# KiCad board Inkplate10_Soldered.kicad_pcb (continued)
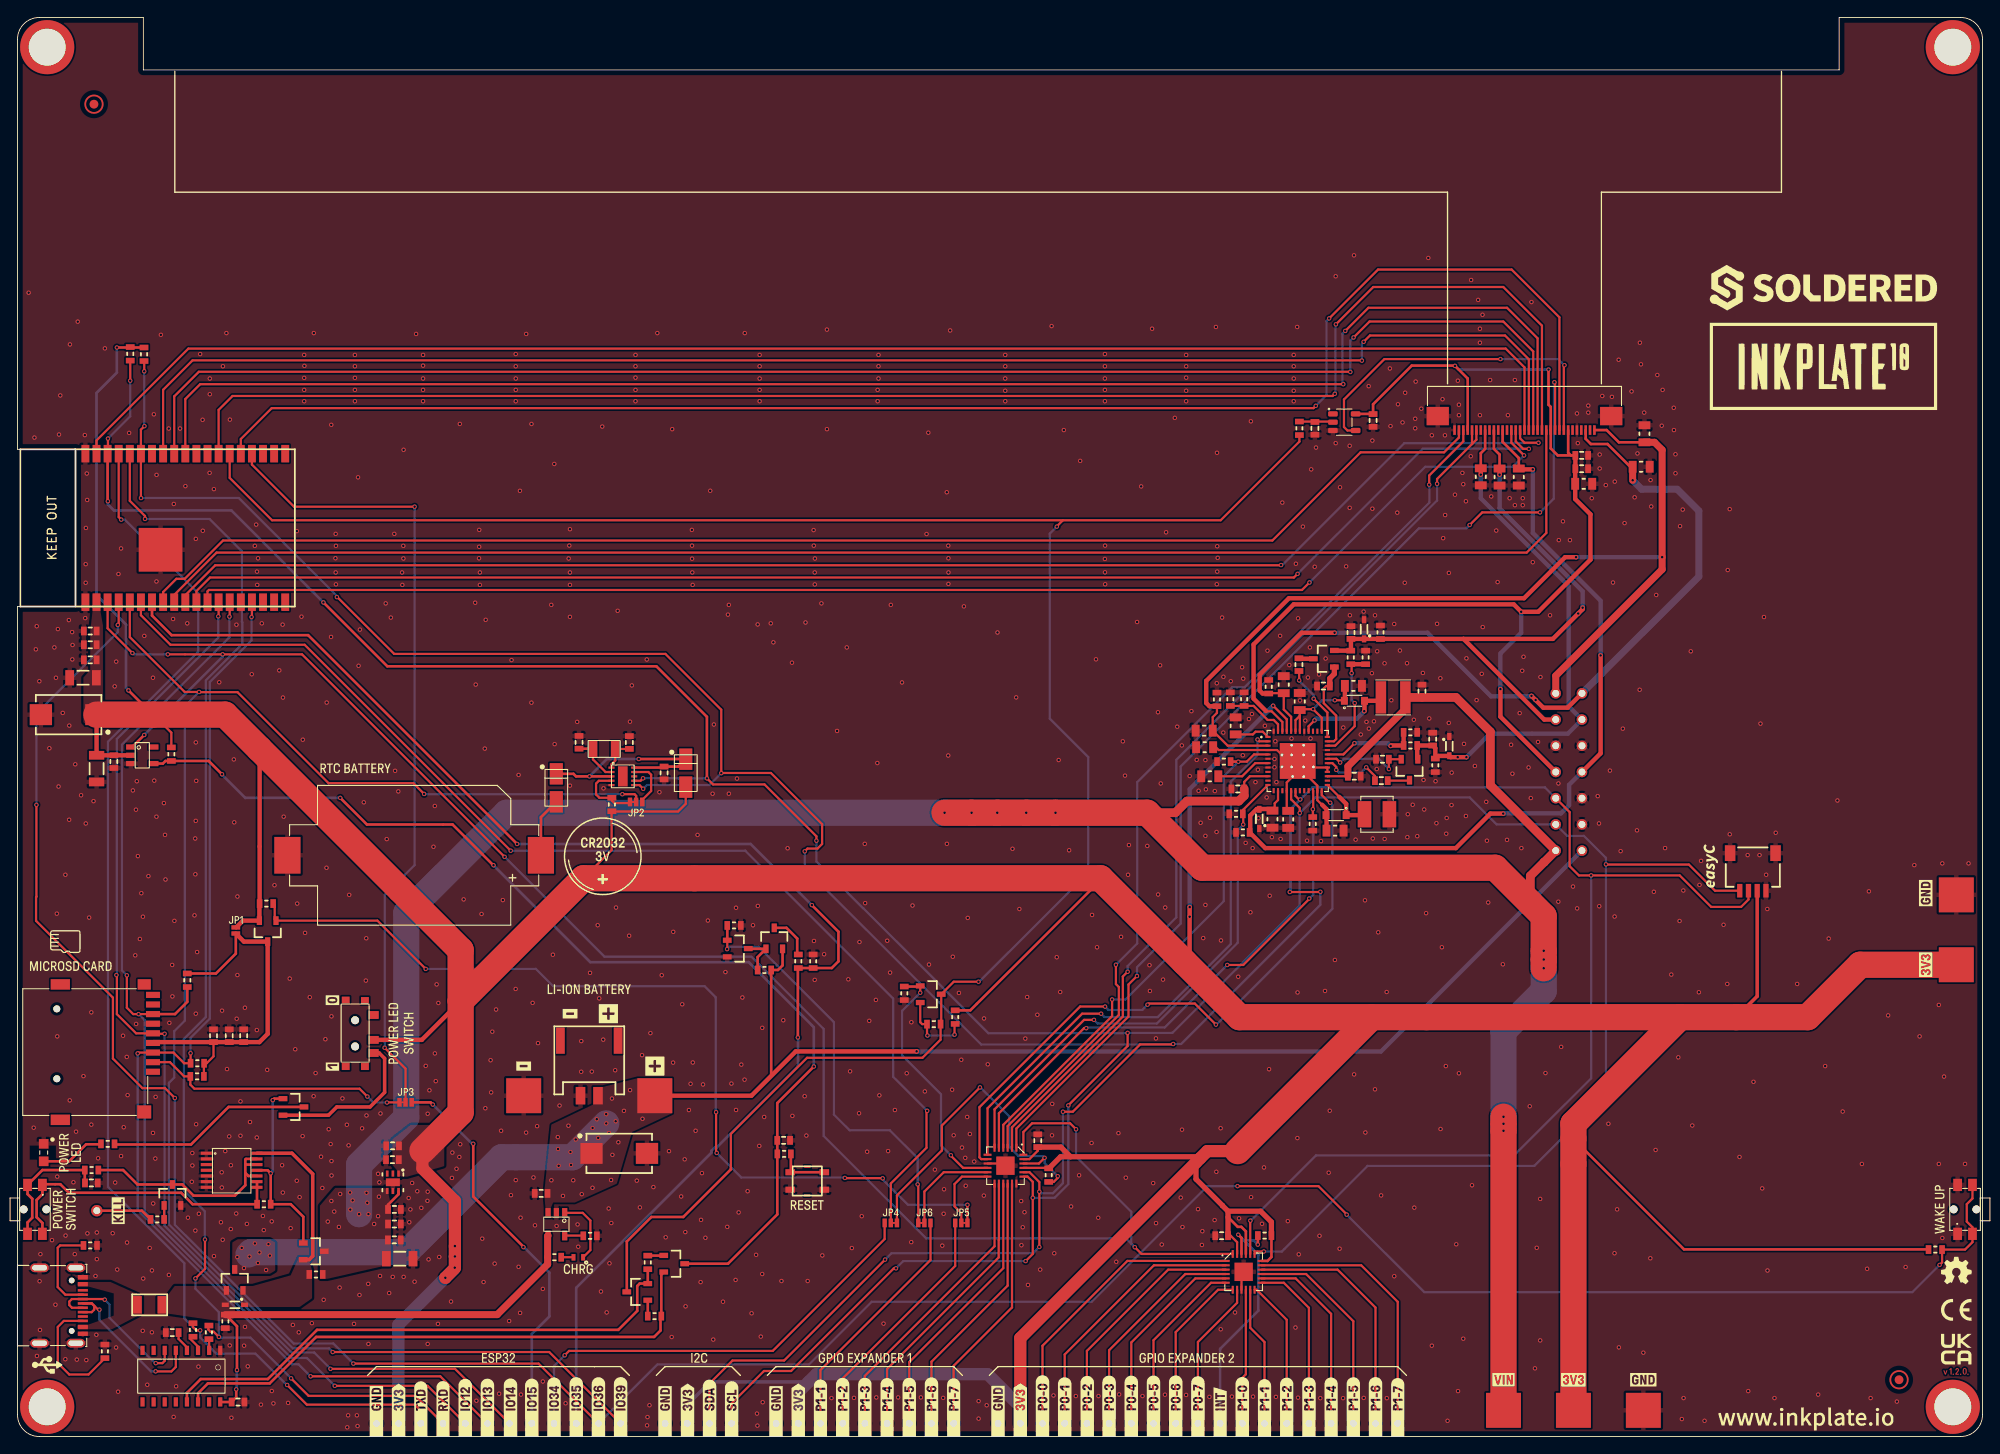
[diagram p0: board, top side]
## Routing (per net, layer and track width the routed paths; a pad name or vN(x,y) marks a point on that pad's centre or on a via; arc(x,y) is an arc through that point) (continued)
VDDH: length 71.1
  Top w0.3: C52.2 169.55,112.4 168.9,113.05 K12.24
  Top w0.5: 165.42,91.29 174.66,82.06 K1.2 ; 165.42,91.29 175.65,91.29 v1(178.55,94.2) 179.05,94.7 v1(179.05,94.88) ; 165.42,91.29 152.55,91.29 152.55,89.97 R13.2 150.68,89.95 D7.2 ; v1(169.55,110.1) C52.2
  Bottom w0.5: v1(178.55,94.2) 179.05,94.7 v1(179.05,94.88) 179.05,96.74 169.55,106.24 v1(169.55,110.1)
VEE: length 62.9
  Top w0.3: K12.26 167.9,113.05 167.4,112.55 167.4,110.83
  Top w0.5: 160.2,77.53 160.13,77.6 R15.2 160.13,79.09 C15.2 162.2,78.79 R12.2 162.5,77.9 163.78,77.9 D5.1 163.97,77.76 v1(164.76,77.76) v1(165.76,77.76) ; v1(167.4,110.1) 167.4,110.83
  Bottom w0.5: v1(164.76,77.76) v1(165.76,77.76) 168.45,80.45 177.36,80.45 K1.13 177.45,83.59 177.45,97.35 167.4,107.4 v1(167.4,110.1)
VIN: length 319.7
  Top w0.254: C5.2 140.34,74.93 140.99,75.57 U1.10 ; U1.27 149.86,75.58 C8.2
  Top w0.3: U6.6 43.6,27.74 42.39,26.53 C30.2
  Top w0.8: C8.2 152.2,76.71 158.78,83.28 L2.1
  Top w1: L2.1 158.78,84.59 C10.2 164.57,84.59 168.5,80.66 168.5,74.54 K1.7 174.66,65.75 174.65,65.75 173.07,64.17 173.07,61.08 ; 129.23,71.4 132.46,71.4 133.79,72.73 139.72,72.73 140.34,73.35 C5.2
  Top w3: PAD3.1 v1(170,35) v1(170,35.8) v1(170,36.6) ; v1(106.06,71.4) v1(109.15,71.4) v1(112.09,71.4) v1(115.4,71.4) v1(118.75,71.4) 129.23,71.4 135.53,65.1 169.05,65.1 174.6,59.55 v1(174.6,55.6) v1(174.6,54.6) v1(174.6,53.6)
  Bottom w3: v1(170,35) v1(170,35.8) v1(170,36.6) 170,46.4 174.6,51 v1(174.6,53.6) v1(174.6,54.6) v1(174.6,55.6) ; v1(118.75,71.4) v1(115.4,71.4) v1(112.09,71.4) v1(109.15,71.4) v1(106.06,71.4) 55.95,71.4 44.47,59.93 44.47,36.5 39.08,31.1 v1(39.08,25.45)
  vias: v1(35.5,24.6) v1(35.91,26.96) v1(36.24,25.75) v1(36.77,23.99) v1(36.92,27.76) v1(38.05,27.93) v1(38.08,25.98) v1(38.34,27.02) v1(39.93,27.9) v1(40.02,26.76) v1(40.15,25.46) v1(40.8,24.32) v1(41.25,25.22) v1(41.35,27.45)
/CTRL & COMS/CH_RXD: length 1.7
  Top w0.254: U3.3 20.66,10.29 19.73,11.22
/CTRL & COMS/CH_TXD: length 1.3
  Top w0.254: U3.2 21.93,11.12 R24.1
/CTRL & COMS/DTR: length 62.3
  Top w0.3: R26.2 Q3.2 71.18,17.5 70.9,17.23 70.9,14.38 68.73,12.21 34.27,12.21 28.64,6.58 20.97,6.58 19.39,5 U3.13
/CTRL & COMS/RTS: length 63.7
  Top w0.3: U3.14 20.66,4.96 21.78,6.08 28.85,6.08 34.17,11.4 72.83,11.4 73.56,12.13 73.56,13.69 R27.2 73.66,18.56 Q2.2
/MCU/GPB_3: length 33.6
  Top w0.254: K19.1 96.94,6.94 111.78,21.78 U9.13
/MCU/GPB_4: length 32.7
  Top w0.254: K20.1 99.48,7.73 112.25,20.5 112.25,22.5 112.28,22.53 U9.14
/MCU/GPB_5: length 31.9
  Top w0.254: U9.15 112.78,19.28 102.02,8.52 K23.1
/MCU/GPB_6: length 31.1
  Top w0.254: K21.1 104.56,8.56 113.28,17.28 U9.16
/MCU/GPB_7: length 30.2
  Top w0.254: U9.17 113.78,14.78 107.1,8.1 K22.1
/POWER/INT_LDO: length 6.3
  Top w0.254: C4.2 140.1,75.57 141.61,77.07 U1.7
/POWER/TS: length 7.1
  Top w0.254: R3.2 141.41,83.62 143.01,82.02 143.71,82.02 144.21,81.53 U1.47
/POWER/VB: length 14.6
  Top w0.254: U1.37 149.21,82.27 v1(148.22,83.25) 146.78,83.25 C12.2 146.69,82.48 ; U1.43 146.21,82 146.69,82.48 ; 146.69,82.48 146.71,82.47 U1.42 ; v1(150.71,84.28) 151.74,84.28 D3.1
  Top w0.5: 151.84,85.9 151.86,85.89 151.86,84.27 D3.1
  Bottom w0.254: v1(150.71,84.28) 149.25,84.28 v1(148.22,83.25)
/POWER/VB_SW: length 10.9
  Top w0.254: U1.40 147.71,81.29 v1(148.38,81.97)
  Top w0.5: L2.2 155.59,84.21 D3.2 154.1,83.05 v1(154.08,83.03)
  Bottom w0.5: v1(154.08,83.03) 153.22,82.17 148.58,82.17 v1(148.38,81.97)
/POWER/VN: length 22
  Top w0.254: 145.35,71.81 145.21,71.95 145.21,74.87 U1.49 ; 149.25,72.31 149.23,72.31 148.71,72.84 148.71,74.5 147.68,75.53 147.14,75.53 ; U1.49 148.32,76.57 U1.29 U1.28 ; C3.2 137.09,78.9 137.41,78.57 U1.4 144.09,78.57 U1.49
  Top w0.5: 149.25,72.31 149.75,71.81 C9.2
/POWER/VN_SW: length 6.3
  Top w0.254: U1.25 151.21,73.22 151.21,73.21
  Top w0.5: 151.21,73.21 152,72.42 D1.1 153.85,71.12 153.93,71.05
/POWER/VREF: length 4.1
  Top w0.254: C1.2 141.33,80.37 141.64,80.67 142.46,80.67 U1.1
/SD_RTC_GPIO/CLKOUT_RTC: length 5.4
  Top w0.254: 71.48,72.88 72.49,73.89 72.49,75.75 72.18,76.06 U7.9
/SD_RTC_GPIO/X1: length 3.9
  Top w0.254: U7.1 67.95,76.94 68.39,77.38 X1.1 69.99,78.7 C34.2
/SD_RTC_GPIO/X2: length 5.5
  Top w0.254: U7.2 67.28,76.06 65.84,77.5 X1.2
  Top w0.3: C35.2 65.81,78.73 X1.2
D+: length 19.9
  Top w0.254: K2.B6 8.49,14.24 8.77,14.52 8.77,14.95 8.48,15.24 K2.A6 8.51,15.24 9.23,14.52 v1(9.37,14.52) ; U3.5 18.12,7.97 17.6,7.45 15.81,7.45 v1(15.8,7.46)
  Bottom w0.254: v1(15.8,7.46) 15.27,7.46 9.37,13.36 v1(9.37,14.52)
D-: length 18.4
  Top w0.254: v1(9.98,15.67) 9.91,15.74 K2.B7 6.22,15.74 5.93,15.45 5.93,15.04 6.23,14.74 K2.A7 ; v1(15.82,8.4) 16.57,8.4 16.84,8.67 U3.6
  Bottom w0.254: v1(9.98,15.67) 10.53,15.12 10.53,13.58 15.71,8.4 v1(15.82,8.4)
EPD_CKV: length 157.6
  Top w0.254: 16.66,95.5 16.66,96.66 18.18,98.17 19.13,98.17 23.52,102.56 143.56,102.56 153.65,112.65 163.2,112.65 164.9,114.35 K12.32
EPD_CL: length 39.5
  Top w0.254: K12.8 176.9,122.55 v1(176.98,122.62) ; U8.4 152.15,115.15 151.75,115.55 151.75,118.7 156.38,123.33 v1(169.65,123.33)
  Bottom w0.254: v1(176.98,122.62) 176.28,123.33 v1(169.65,123.33)
EPD_D0: length 180.6
  Top w0.254: U10.26 23.01,117.51 24.6,119.1 150.45,119.1 v1(150.7,119.35) ; K12.13 174.4,127.15 169.97,131.57 155.1,131.57 v1(150.83,127.3)
  Bottom w0.254: v1(150.7,119.35) 150.78,119.42 150.78,127.25 v1(150.83,127.3)
EPD_D1: length 180.8
  Top w0.254: v1(151.68,120.45) 20.9,120.45 19.2,118.75 U10.29 ; K12.14 173.9,125.7 170.4,129.2 154.55,129.2 v1(151.9,126.55)
  Bottom w0.254: v1(151.68,120.45) 151.58,120.55 151.58,126.22 v1(151.9,126.55)
EPD_D2: length 178.1
  Top w0.254: K12.15 173.4,124.2 169.97,127.62 154.68,127.62 v1(152.85,125.8) ; v1(152.47,121.85) 152.45,121.88 20.75,121.88 17.93,119.06 U10.30
  Bottom w0.254: v1(152.85,125.8) 152.47,125.42 v1(152.47,121.85)
EPD_D3: length 176.5
  Top w0.254: v1(154,125.3) 154.72,126.03 170.17,126.03 172.9,123.3 K12.16 ; 16.66,112.5 16.66,119.81 20.03,123.17 153.78,123.17 v1(153.8,123.15)
  Bottom w0.254: v1(154,125.3) 153.8,125.1 v1(153.8,123.15)
EPD_D4: length 177.3
  Top w0.254: U10.37 9.04,114.02 19.55,124.53 170.25,124.53 172.4,122.38 K12.17
EPD_D5: length 166.1
  Top w0.254: v1(144.55,99.75) 144.53,99.72 22.62,99.72 19.2,96.3 U10.10 ; K12.18 171.9,114.25 172.4,113.75 v1(174,113.75)
  Bottom w0.254: v1(174,113.75) 173.95,113.7 158.65,113.7 144.7,99.75 v1(144.55,99.75)
EPD_D6: length 163.6
  Top w0.254: v1(146.44,98.74) 146.02,98.32 22.02,98.32 20.47,96.77 U10.11 ; K12.19 171.4,113.9 172.25,113.05 v1(172.9,113.05)
  Bottom w0.254: v1(146.44,98.74) 160.78,113.08 172.87,113.08 v1(172.9,113.05)
EPD_D7: length 161.8
  Top w0.254: v1(147.8,97.75) 146.95,96.9 21.9,96.9 21.74,96.74 U10.12 ; K12.20 170.9,113.75 v1(172.35,112.3)
  Bottom w0.254: v1(172.35,112.3) 171.05,111 161.05,111 v1(147.8,97.75)
EPD_GMODE: length 105.8
  Top w0.254: v1(162.4,109.05) 162.4,109.6 166.4,113.6 ; v1(127,53.2) 126.45,52.65 126.45,48.07 113.78,35.39 U9.2 ; 166.4,113.6 166.9,114.1 K12.28 ; 166.4,113.6 K12.29
  Bottom w0.254: v1(127,53.2) 127,53.85 132.58,59.43 132.58,77.47 140.42,85.31 140.57,85.31 162.4,107.14 v1(162.4,109.05)
EPD_LE: length 180.7
  Top w0.254: U10.24 25.55,114.17 29.09,117.71 148.26,117.71 v1(148.53,117.97) ; v1(150.05,127.97) 155.65,133.57 170.92,133.57 176.4,128.1 K12.9
  Bottom w0.254: v1(148.53,117.97) 149.75,119.2 149.75,127.67 v1(150.05,127.97)
EPD_OE: length 125.7
  Top w0.254: v1(128.07,52.71) 127.1,51.74 127.1,48.07 114.28,35.25 U9.1 ; v1(166.13,104.33) 167.57,105.78 v1(174.17,105.78) ; v1(175.82,120.67) 175.9,120.6 K12.10
  Bottom w0.254: v1(175.82,120.67) 175.75,120.6 175.75,107.35 v1(174.17,105.78) ; v1(166.13,104.33) 165.74,103.95 160.33,103.95 133.07,76.69 133.07,58.71 128.07,53.71 v1(128.07,52.71)
EPD_SPH: length 172.5
  Top w0.254: K12.12 174.9,103.42 172.65,101.17 22.77,101.17 17.93,96.33 U10.9
EPD_SPV: length 104.9
  Top w0.254: v1(125.66,54) 125.66,51.79 126,51.45 126,48.25 113.28,35.53 U9.3 ; v1(161.5,108.95) 161.5,110 165.4,113.9 K12.31
  Bottom w0.254: v1(125.66,54) 128.1,56.44 128.1,74.9 138.96,85.76 140.38,85.76 161.53,106.91 161.53,108.92 v1(161.5,108.95)
GPIO15: length 45.5
  Top w0.3: v1(57.88,21.68) 57.88,21.73 52.14,27.47 v1(52.14,33.51) ; v1(47.51,38) 47.26,38.25 JP3.3
  Bottom w0.3: v1(47.51,38) 52,33.51 v1(52.14,33.51) ; K38.1 58.84,11.73 60.85,13.74 60.85,18.76 57.93,21.68 v1(57.88,21.68)
GPIO_0: length 255.9
  Top w0.254: U10.25 24.28,109.72 29.12,104.88 119.59,104.88 ; 81.61,30.67 81.61,34.63 90.33,43.35 103.53,43.35 105.6,45.43 R21.1 105.68,47.28 Q1.3 107.11,52.06 v1(109.94,52.06) ; 119.59,104.88 137.65,104.88 146.65,113.88 R46.1 ; 119.59,104.88 118.9,104.18 v1(118.9,104.15)
  Top w0.3: Q3.3 69.71,22.32 72.51,25.13 76.16,25.13 81.61,30.58 81.61,30.67 ; 105.62,47.23 R21.1
  Bottom w0.254: v1(118.9,104.15) 118.09,103.34 118.09,82.17 122.5,77.76 122.5,64.54 110.02,52.06 v1(109.94,52.06)
GPIO_0_MOSFET: length 29.2
  Top w0.254: v1(106.78,32.19) 106.78,32.15 108.18,30.75 U9.10 ; v1(103.28,50.8) Q1.1
  Top w0.3: R19.2 103.21,51.5 Q1.1
  Bottom w0.254: v1(103.28,50.8) 101.2,48.72 101.2,43.62 105.65,39.18 105.65,33.32 v1(106.78,32.19)
GPIO_36: length 324.9
  Top w0.254: v1(139.57,28.66) 148.83,28.66 152.06,25.43 v1(152.06,25.4) ; K37.1 59.61,8.35 v1(38.43,8.35) ; 11.58,95.5 11.58,93 v1(11.47,92.9) ; v1(18,38.75) 16.88,39.88 14.3,39.88 10.92,43.26 10.92,50.23 2.12,59.03 2.12,61.75 2.17,61.79 v1(2.17,72.3) ; SW3.2 223.65,27.25 223,26.6 223,24.6 223.65,23.95 SW3.2 223.65,22.25 222.8,21.4 R41.1 220.17,19.93 v1(219.89,19.64)
  Bottom w0.254: v1(152.06,25.4) 160.94,16.53 216.78,16.53 v1(219.89,19.64) ; v1(11.47,92.9) 11.47,92.07 2.17,82.77 v1(2.17,72.3) ; v1(18,38.75) 18,24.24 31.59,10.65 36.13,10.65 v1(38.43,8.35) ; K37.1 73.21,8.25 90.55,8.25 97.72,15.43 122.89,15.43 136.12,28.66 v1(139.57,28.66)
GPIO_39: length 193.4
  Top w0.254: v1(36.06,9.67) 60.83,9.67 K36.1 ; U10.5 12.85,91.5 19.12,85.22 v1(20.78,85.22) 20.8,85.2 25.17,85.2 35.59,74.78 45.29,74.78 v1(46.52,73.55) ; v1(69.2,73.52) 70.59,73.52 70.78,73.33 70.78,72.88
  Bottom w0.254: v1(36.06,9.67) 35.64,10.09 31.51,10.09 17.32,24.28 17.32,40.48 17.93,41.09 17.93,46.39 19.15,47.61 19.15,83.6 v1(20.78,85.22) ; v1(46.52,73.55) 46.56,73.51 69.19,73.51 v1(69.2,73.52)
I2C_SCL: length 421.1
  Top w0.254: v1(127,46.2) 127,44.7 120.22,37.92 v1(120.22,37.9) ; v1(142.58,21.18) 141.8,21.18 U11.19 ; v1(91.4,68.2) 91.4,68.7 85.46,74.64 79.57,74.64 v1(78.88,75.33) ; U10.36 10.35,112.54 v1(10.35,114.22) ; U7.7 71.28,75.06 v1(71.56,75.34) ; 145.71,73.93 145.71,72.93 146.69,71.95 v1(146.69,71.37) ; v1(100.5,19.25) 100.25,19.25 88.5,7.5 85.4,7.5 81.7,3.8 K6.1 ; U9.19 115.55,29.75 116.15,29.15 v1(116.15,27.32) 116.15,20.9 v1(115.33,20.08) ; K3.1 194.2,62.47 191.21,65.47 181.74,65.47 v1(181.72,65.49) ; R1.1 v1(12.9,120.85)
  Top w0.3: v1(10.34,107.05) 10.31,107.08 U10.36 ; v1(35,95.47) 42.31,88.16 73.09,88.16 78.87,82.38 78.87,75.34 v1(78.88,75.33)
  Bottom w0.254: v1(71.56,75.34) 75.63,75.34 75.64,75.33 v1(78.88,75.33) ; v1(91.4,68.2) 91.4,65.81 96.74,60.47 96.76,60.47 111.07,46.16 126.96,46.16 v1(127,46.2) 132.12,46.2 146.68,60.75 146.68,71.35 v1(146.69,71.37) 148.47,73.15 166.13,73.15 169.21,70.06 K1.6 177.29,68.75 179.2,68.75 181.72,66.23 181.72,39.17 173.53,30.97 154.45,30.97 144.65,21.18 v1(142.58,21.18) ; v1(12.9,120.85) 12.9,116.78 v1(10.35,114.22) ; v1(100.5,19.25) 101.33,20.08 v1(115.33,20.08) ; v1(120.22,37.9) 120.22,28.9 118.65,27.32 v1(116.15,27.32)
  Bottom w0.3: v1(10.34,107.05) 10.34,106.69 11.03,106 24.47,106 v1(35,95.47)
I2C_SDA: length 443.4
  Top w0.254: U11.20 141.03,24.69 v1(141.04,24.71) ; v1(146.75,72.92) 146.61,72.92 146.21,73.32 146.21,73.93 ; v1(71.58,74.14) 71.16,74.56 U7.6 ; K1.5 177.57,71.47 177.57,65.28 178.63,64.22 v1(180.03,64.22) 190.16,64.22 193.76,60.62 197.18,60.62 198.03,61.47 K3.2 ; v1(145.55,62.32) 149.03,62.32 v1(149.05,62.35) ; U9.20 115.78,30.25 116.9,29.12 v1(116.9,28.03) v1(116.9,21.7) ; v1(90.06,66.98) 90.38,67.3 91.53,67.3 92.05,67.82 92.05,70.09 86.19,75.95 80.54,75.95 v1(80.52,75.93) 80.51,75.94 80.51,83.19 74.12,89.58 43.09,89.58 36.59,96.08 v1(36.54,96.08) ; v1(14.13,107.42) 14.12,107.43 U10.33 14.12,115.25 v1(14.53,115.65) ; K7.1 79.16,6.06 81.8,8.7 87.7,8.7 v1(99.25,20.25) ; R4.1 14.5,123.08 v1(14.5,121.92) ; v1(119.6,37.18) 120.72,37.18 128.43,44.88 132.16,44.88 v1(132.21,44.93)
  Bottom w0.254: v1(80.52,75.93) 79.16,74.57 72.01,74.57 v1(71.58,74.14) ; v1(36.54,96.08) 36.54,96.21 25.32,107.43 14.15,107.43 14.14,107.42 ; v1(116.9,28.03) 117.08,27.85 118.45,27.85 119.6,29 v1(119.6,37.18) ; v1(141.04,24.71) 141.09,24.71 148.55,32.18 171.2,32.18 180.03,41 v1(180.03,64.22) ; v1(149.05,62.35) 149.05,60.86 133.12,44.93 v1(132.21,44.93) 132.15,44.87 110.25,44.87 90.06,65.06 v1(90.06,66.98) ; v1(14.5,121.92) 14.5,115.67 v1(14.53,115.65) ; v1(116.9,21.7) 116.18,20.98 99.98,20.98 v1(99.25,20.25) ; v1(146.75,72.92) 148.13,74.3 174.74,74.3 K1.5
  Bottom w0.3: v1(146.75,72.92) 145.62,71.79 145.62,62.4 v1(145.55,62.32)
INT: length 67.2
  Top w0.254: v1(141.86,79.78) 142.06,79.57 U1.2 ; U9.7 110.97,37.57 121.8,48.4 v1(123.97,48.4)
  Bottom w0.254: v1(141.86,79.78) 141.86,78.02 138.8,74.96 138.8,56.37 130.43,48 124.37,48 v1(123.97,48.4)
INTB: length 39.2
  Top w0.254: v1(119,29.8) 119,29.6 118.55,29.15 117.97,29.15 ; U9.22 116.85,31.25 v1(117.5,31.9) ; 100.61,24.33 100.61,27.6 105.75,32.74 105.75,35.6 v1(110.11,39.96)
  Bottom w0.254: v1(119,29.8) 117.5,31.3 v1(117.5,31.9) 117.3,32.1 114.53,32.1 113.46,33.16 113.46,36.64 110.14,39.96 v1(110.11,39.96)
IO34: length 134.9
  Top w0.254: v1(104.07,37.28) 103.99,37.2 103.99,33.05 99.91,28.97 99.91,24.33 ; v1(56.43,67.05) 32.85,90.62 17.5,90.62 14.12,94 U10.6
  Bottom w0.254: v1(56.43,67.05) 83.28,67.05 83.28,67.03 100.18,50.13 100.18,41.18 v1(104.07,37.28)
MANUAL_RST: length 124.4
  Top w0.3: Q2.3 81.28,19.78 86.92,25.42 86.92,38.17 v1(91.1,42.35) ; v1(36.93,73.1) 39.97,70.05 49.78,70.05 54.43,65.39 v1(54.46,65.39) ; v1(23.4,75.8) 21.88,77.32 R22.1 16.93,77.32 16.62,77.03 U2.4
  Bottom w0.3: v1(54.46,65.39) 54.46,65.37 65.53,54.3 83.65,54.3 91.1,46.85 v1(91.1,42.35) ; v1(23.4,75.8) 23.4,75.75 26.05,73.1 v1(36.93,73.1)
PWR_GOOD: length 72.9
  Top w0.254: v1(129.28,49.43) 129.41,49.56 134.69,49.56 v1(137.1,47.15) ; 149.21,73.93 149.21,73.42 150.08,72.55 v1(150.18,72.55) ; U9.8 110.25,31.75 110.05,31.95 110.05,37.7 121.57,49.22 124.41,49.22 v1(124.42,49.21)
  Bottom w0.254: v1(124.42,49.21) 124.81,48.82 128.68,48.82 v1(129.28,49.43) ; v1(150.18,72.55) 150.43,72.3 150.43,60.41 137.17,47.15 v1(137.1,47.15)
PWRUP: length 63.1
  Top w0.254: U9.5 112.28,37 122.02,46.74 v1(122.27,46.74) ; v1(138.4,53.97) 140.22,53.97 147.78,61.53 v1(147.78,61.58) ; 148.21,73.93 148.23,73.9 148.23,71.84 v1(148.19,71.8) 148.19,70.91 R7.1
  Bottom w0.254: v1(148.19,71.8) 148.22,71.76 148.22,62.03 v1(147.78,61.58) ; v1(122.27,46.74) 122.35,46.82 131.25,46.82 v1(138.4,53.97)
RST: length 209.2
  Top w0.254: v1(17.2,89.53) v1(23.48,89.53) 32.55,89.53 v1(55.72,66.35) ; v1(121.1,35.17) 120.42,35.85 116.07,35.85 115.08,34.85 U9.24 ; v1(13.15,89.68) 10.31,92.51 U10.3 ; v1(127.82,21.67) 128.59,20.9 U11.24
  Top w0.3: 12.98,78.93 13.12,78.93 v1(14.5,80.3)
  Bottom w0.254: v1(13.15,89.68) 13.3,89.53 v1(17.2,89.53) ; v1(55.72,66.35) 67.15,54.93 83.95,54.93 92.22,46.65 92.22,34.4 103.94,22.68 126.81,22.68 v1(127.82,21.67) 127.42,22.07 127.42,25.72 121.1,32.04 v1(121.1,35.17)
  Bottom w0.3: v1(23.48,89.53) 23.48,89.28 v1(14.5,80.3)
RXD: length 147.9
  Top w0.254: v1(31.3,6.66) 33.3,4.66 45.54,4.66 45.54,4.64 K17.1 ; v1(14.59,105.03) 14.59,105.36 12.85,107.1 U10.34 ; v1(21.45,22.55) 21.45,19.19 v1(20.36,18.1) ; v1(23.04,11.4) 22.44,12 22.08,12 21.84,12.25 21.84,12.76
  Bottom w0.254: v1(21.45,22.55) 21.43,22.57 21.43,25.78 19.03,28.18 19.03,45.5 21.55,48.02 21.55,86.55 25.73,90.73 25.73,93.21 25.68,93.26 25.68,101.33 21.98,105.03 14.59,105.03 v1(14.59,105.03) ; v1(20.36,18.1) 20.36,16.91 23.04,14.23 v1(23.04,11.4) 23.12,11.32 26.64,11.32 v1(31.3,6.66)
SD_ENABLE: length 107.2
  Top w0.254: v1(98.97,29.55) 98.95,29.57 94.68,29.57 v1(94.65,29.6) ; JP5.1 v1(108.68,26.53) ; v1(79.92,37.12) 79.92,32.53 v1(79.99,32.46) ; 29.25,61 29.43,60.82 29.43,59.2 Q10.1 41.18,59.05 v1(46.7,53.53)
  Bottom w0.254: v1(79.92,37.12) 79.88,37.16 79.88,50.28 78.6,51.55 61.28,51.55 59.3,53.53 v1(46.7,53.53) ; v1(108.68,26.53) 101.88,26.53 98.97,29.43 v1(98.97,29.55) ; v1(79.99,32.46) 82.8,29.65 94.6,29.65 v1(94.65,29.6)
SPI_CS: length 92.5
  Top w0.254: U10.23 26.82,111.25 31.64,106.43 v1(45.43,106.43) ; JP3.2 44.4,42.1 v1(42,44.5)
  Bottom w0.254: v1(45.43,106.43) 45.43,65.41 42.02,62 42.02,44.52 v1(42,44.5)
SPI_MISO: length 130.8
  Top w0.254: v1(12.51,52.79) 12.51,49.08 13.24,48.35 v1(13.85,48.35) K11.7 ; K26.1 46.92,5.8 v1(36.3,5.8) ; U10.14 24.28,93.88 v1(24.25,93.85)
  Top w0.3: K11.7 18.02,48.35 19.43,49.75 R45.1
  Bottom w0.254: v1(12.51,52.79) 11.95,53.35 11.95,79.19 24.25,91.49 v1(24.25,93.85) ; v1(36.3,5.8) 33.11,8.99 31.33,8.99 14.55,25.77 14.55,47.65 v1(13.85,48.35)
SPI_MOSI: length 130.3
  Top w0.254: v1(13.75,43.85) 13.85,43.95 K11.3 17.84,43.95 19.07,42.72 19.8,42.72 v1(19.8,43.88) ; U10.16 26.82,93.84 v1(26.78,93.8) ; v1(33.53,6.89) 48.37,6.89 K27.1
  Bottom w0.254: v1(26.78,93.8) 26.78,91.13 22,86.36 22,47.83 19.8,45.63 v1(19.8,43.88) ; v1(33.53,6.89) 32.15,8.27 31.41,8.27 13.75,25.93 v1(13.75,43.85)
SPI_SCK: length 129.2
  Top w0.254: v1(35.81,7.75) 50.05,7.75 K25.1 ; U10.13 23.01,93.91 v1(22.98,93.88) ; v1(16.83,46.1) 15.55,46.1 K11.5 13.57,46.15 11.37,48.35 11.37,52.77 v1(11.32,52.82)
  Bottom w0.254: v1(35.81,7.75) 33.94,9.62 31.34,9.62 16.83,24.13 v1(16.83,46.1) ; v1(22.98,93.88) 22.98,91.46 11.37,79.85 11.37,52.87 v1(11.32,52.82)
SW_IN: length 18
  Top w0.4: 27.4,32.43 31.4,32.43 33.78,30.05 33.78,20.65 33.38,20.25 Q9.2
SW_OUT_D: length 22.3
  Top w0.3: v1(29.2,38.5) 29.38,38.68 Q6.1 ; Q9.1 32.7,25.15 31.26,26.59 R38.2 v1(28.97,30.12) 28.62,30.47 U5.11
  Bottom w0.3: v1(29.2,38.5) 29.2,30.36 v1(28.97,30.12)
TXD: length 145.7
  Top w0.254: 11.58,112.5 11.58,105.24 v1(11.87,104.95) ; K16.1 46.14,2.95 45.44,3.65 33.1,3.65 v1(30.85,5.9) ; v1(20.9,12.15) 20.45,12.15 20.08,12.53 R23.2
  Bottom w0.254: v1(30.85,5.9) 30.81,5.9 27.22,9.49 22.74,9.49 20.9,11.33 v1(20.9,12.15) 20.45,12.15 19.09,13.51 19.09,19.84 10.35,28.57 10.35,79.53 20.68,89.85 20.68,96.55 12.28,104.95 v1(11.87,104.95)
V_BAT: length 166.2
  Top w0.3: U10.7 15.39,93.96 17.62,91.72 33.25,91.72 v1(57.15,67.82) ; v1(90.88,60.82) 93.92,57.78 93.92,54.39 93.16,53.62 R31.2 R30.1 89.28,53.57 v1(89.28,45.68)
  Bottom w0.3: v1(90.88,60.82) 83.88,67.82 v1(57.15,67.82) ; K14.1 63.92,17.02 79.39,32.49 79.39,32.71 79.74,33.06 79.96,33.06 89.3,42.4 89.3,45.65 v1(89.28,45.68)
V_BAT_MOS: length 48.3
  Top w0.254: JP6.1 103.05,28.79 v1(102.98,28.86) ; v1(81.18,55.79) 81.2,55.81 Q4.1
  Top w0.3: Q4.1 81.2,58.5
  Bottom w0.254: v1(81.18,55.79) 81.44,56.05 84.78,56.05 93.4,47.43 93.4,36.85 95.2,35.05 99.8,35.05 102.98,31.87 v1(102.98,28.86)
VCOM: length 96.6
  Top w0.254: 143.83,71.83 143.83,72.47 144.21,72.85 144.21,73.93
  Top w0.3: K12.22 169.9,113.85 171.75,112 C56.2
  Top w0.5: v1(181.11,89.4) 181.11,78.2 K1.11 ; v1(173.35,110.7) 171.85,110.7 C56.2 ; v1(169.97,71.3) 168.5,71.3 164.55,67.35 142.75,67.35 R11.2 141.02,69.22 141.02,71.07 141.78,71.82 143.82,71.82 143.83,71.83
  Bottom w0.5: v1(169.97,71.3) 170,71.32 176.58,71.32 177.5,72.25 177.5,74.59 K1.11 ; v1(173.35,110.7) 173.35,103.42 181.11,95.66 v1(181.11,89.4)
VCOM_CTRL: length 60
  Top w0.254: v1(123.15,47.69) 122.02,47.69 111.78,37.45 U9.6 ; U1.12 140.22,71.75 v1(140.22,70.05)
  Bottom w0.254: v1(140.22,70.05) 139.6,69.43 139.6,56.53 130.35,47.28 123.56,47.28 v1(123.15,47.69)
VNEG: length 113.6
  Top w0.254: U1.3 138.45,79.07 C2.2 136.74,82.34 137.22,82.83 R8.1
  Top w0.3: C51.2 183.2,113.8 181.8,115.2 K12.1
  Top w0.5: v1(178.3,100.65) 177.05,100.65 172.35,95.95 145.45,95.95 135.99,86.49 135.99,83.96 136.36,83.59 R8.1
  Top w0.8: C51.2 187.27,113.8 188.15,112.92 v1(188.15,100.65) 188.15,99.25 175.97,87.07 K1.1
  Bottom w0.5: v1(188.15,100.65) v1(178.3,100.65)
VPOS: length 97.9
  Top w0.254: U1.44 145.71,82.38 144.86,83.22 C13.2 143.18,85.09 R9.1 ; 184.5,111 C54.2
  Top w0.3: K12.3 179.4,114.2 180,113.6 181.9,113.6 184.5,111
  Top w0.5: v1(173.2,84.78) v1(173.67,84.3) 174.55,83.43 177.34,83.43 K1.14 ; R9.1 142.44,85.04 142.11,85.38 142.11,87.2 146.91,92 v1(150.68,92)
  Top w0.8: v1(184.78,109.45) C54.2
  Bottom w0.5: v1(150.68,92) 161.3,92 168.58,84.72 173.15,84.72 v1(173.2,84.78) v1(173.67,84.3)
  Bottom w0.8: v1(184.78,109.45) 185.8,108.42 189.88,108.42 192.35,105.95 192.35,98.44 K1.14
VUSB: length 54.7
  Top w0.3: U3.16 23.21,3.95 C20.2 25.03,4.47 v1(25.03,5.4) ; R36.2 25.11,12.62 v1(25.11,7.6)
  Top w0.8: R36.2 54.89,13.96 60.65,19.72 R28.1 60.65,22.95 U4.4
  Bottom w0.3: v1(25.03,5.4) 25.1,5.47 25.1,7.59 v1(25.11,7.6)
WAKEUP: length 61.7
  Top w0.254: v1(125.22,50.03) 125.22,48.12 112.78,35.67 U9.4 ; v1(139.67,77.24) 138.79,77.24 R5.1 140.64,77.25 141.47,78.07 U1.5
  Bottom w0.254: v1(139.67,77.24) 138,75.57 138,61.28 126.75,50.03 v1(125.22,50.03)
Net-(C16-Pad1): length 2.5
  Top w0.254: D6.3 159.2,75.07 C16.1
Net-(C17-Pad2): length 1.7
  Top w0.5: 148.25,89.03 146.66,89.03 C17.2
Net-(C22-Pad2): length 2.4
  Top w0.254: U3.4 19.39,10.22 18.43,11.17 C22.2
Net-(C32-Pad2): length 14.8
  Top w0.3: C32.2 7.7,29.04 R39.1 2.85,30.5 SW2.2 1.15,27.75 1.69,27.21 1.69,25.04 1.15,24.5 SW2.2
Net-(C40-Pad2): length 3.9
  Top w0.254: 146.65,116.17 150.41,116.17 U8.2
Net-(D8-Pad1): length 1.4
  Top w0.254: R28.2 63.59,20.53 D8.1
Net-(D8-Pad2): length 7.9
  Top w0.254: U4.1 64.66,25.6 65.54,24.72 65.54,21.34 D8.2
Net-(D9-Pad1): length 7.4
  Top w0.3: 2.9,31.5 5.9,31.5 7.85,33.45 9.5,33.45 9.52,33.47
Net-(D12-Pad1): length 6.8
  Top w0.3: D12.1 59.88,70.89 K10.+
Net-(JP2-Pad1): length 7.7
  Top w0.254: U7.4 66.51,75.06 66.19,74.74 66.19,73.49 66.56,73.12 R42.1 68,72.8 68.3,72.5 69.94,72.5 70.07,72.63
Net-(JP3-Pad1): length 30.7
  Top w0.254: JP3.1 42.29,38.25 v1(42.27,38.23) ; K11.2 17.44,42.85 19.07,41.22 R43.1 19.78,40.28 20.24,39.81 39.13,39.81 v1(40.03,38.91)
  Bottom w0.254: v1(40.03,38.91) 40.71,38.23 v1(42.27,38.23)
Net-(JP4-Pad3): length 52.1
  Top w0.254: 99.2,24.32 99.2,22.6 86.4,9.8 63.1,9.8 v1(62.6,9.3)
  Bottom w0.254: v1(62.6,9.3) 61.38,8.08 K13.1
Net-(JP5-Pad2): length 8.9
  Top w0.254: U9.12 108.05,29.75 107.2,28.9 107.2,26.35 107.97,25.57 JP5.2
Net-(JP5-Pad3): length 28.3
  Top w0.254: K18.1 94.4,6.65 107.28,19.53 JP5.3
Net-(JP6-Pad2): length 11.7
  Top w0.254: JP6.2 103.75,28.04 105.96,30.25 U9.11
Net-(JP6-Pad3): length 28.2
  Top w0.254: JP6.3 104.45,20.2 91.86,7.61 K24.1
Net-(K2-PadA5): length 10.8
  Top w0.254: R18.1 4.88,21.88 4.6,21.6 4.6,17.11 5.47,16.24 K2.A5
Net-(K2-PadB5): length 14
  Top w0.254: K2.B5 5.31,13.24 4.61,12.54 4.61,8.41 5.93,7.1 8.12,7.1 R17.1
Net-(K9-Pad1): length 6.6
  Top w0.3: K9.1 14.23,25.85 R37.2
Net-(K28-Pad1): length 33.8
  Top w0.254: U11.1 126.97,20.1 117.26,10.39 117.26,1.53
Net-(K29-Pad1): length 30.5
  Top w0.254: U11.2 130.01,19.6 119.8,9.39 119.8,1.53
Net-(K30-Pad1): length 28
  Top w0.254: U11.3 131.64,19.1 122.34,9.8 122.34,1.53
Net-(K31-Pad1): length 25.3
  Top w0.254: U11.4 133.6,18.6 124.88,9.88 124.88,1.53
Net-(K32-Pad1): length 23.1
  Top w0.254: U11.5 134.75,18.1 127.42,10.77 127.42,1.53
Net-(K33-Pad1): length 20.5
  Top w0.254: U11.6 136.54,17.6 129.96,11.02 129.96,1.53
Net-(K34-Pad1): length 18.9
  Top w0.254: U11.7 137.35,16.8 132.5,11.95 132.5,1.53
Net-(K35-Pad1): length 17.1
  Top w0.254: U11.8 139.53,15.31 135.04,10.82 135.04,1.53
Net-(K39-Pad1): length 15.4
  Top w0.254: U11.10 140.53,7.12 140.12,6.72 140.12,1.53
Net-(K40-Pad1): length 15.9
  Top w0.254: U11.11 141.03,12.44 142.66,10.81 142.66,1.53
Net-(K41-Pad1): length 16.9
  Top w0.254: U11.12 141.76,16.8 145.2,13.36 145.2,1.53
Net-(K42-Pad1): length 19.8
  Top w0.254: 147.74,1.53 147.74,14.73 144.87,17.6 U11.13
Net-(K43-Pad1): length 22.1
  Top w0.254: U11.14 146.22,18.1 150.28,14.04 150.28,1.53
Net-(K44-Pad1): length 24.4
  Top w0.254: 152.82,1.53 152.82,13.2 147.42,18.6 U11.15
Net-(K45-Pad1): length 28.1
  Top w0.254: U11.16 151.02,19.1 155.36,14.76 155.36,1.53
Net-(K46-Pad1): length 31.2
  Top w0.254: U11.17 153.72,19.6 157.9,15.42 157.9,1.53
Net-(K49-Pad1): length 29.5
  Top w0.3: v1(141.89,21.97) 141.9,21.98 R48.2 ; v1(139.66,23.1) 140.03,22.74 U11.22
  Bottom w0.3: 140.3,22.46 141.4,22.46 v1(141.89,21.97) ; 140.3,22.46 v1(139.66,23.1) ; 140.3,22.46 141.95,20.81 141.95,14.4 137.58,10.03 137.58,1.53
Net-(Q1-Pad2): length 8.8
  Top w0.254: Q1.2 103.28,47.43 103.5,47.21 R21.2 104.05,45.95 v1(104.1,45.9) ; v1(107.2,46) 107.2,47.16 R20.1
  Bottom w0.254: v1(104.1,45.9) 107.1,45.9 v1(107.2,46)
Net-(Q2-Pad1): length 1.8
  Top w0.3: R26.1 73.91,20.71 Q2.1
Net-(Q3-Pad1): length 1.8
  Top w0.3: R27.1 Q3.1
Net-(Q4-Pad3): length 4.9
  Top w0.3: R29.1 84.68,54.88 Q5.1 83.62,55.82 Q4.3
Net-(Q5-Pad3): length 5
  Top w0.3: R30.2 89.2,55.3 89.2,57 87.97,58.22 Q5.3
Net-(Q6-Pad2): length 18.1
  Top w0.4: S1.3 41.38,43.9 42,43.28 42,39.39 40.34,37.72 36.53,37.72 35.58,36.78 Q6.2
Net-(Q6-Pad3): length 23.5
  Top w0.3: R35.1 11.18,33.43 19.85,33.43 24.15,37.72 Q6.3
Net-(Q8-Pad1): length 1.6
  Top w0.254: R37.1 Q8.1
Net-(Q8-Pad3): length 25.7
  Top w0.3: 26.06,31.22 26.16,31.12 U5.12 ; 26.06,31.22 26.06,31.69 26.15,31.78 U5.13 ; 26.06,31.22 26.06,30.17 ; 26.06,30.17 26.41,29.82 U5.10 ; 26.06,30.17 26.06,28.76 24.87,27.57 20.14,27.57 18.86,28.85 Q8.3 13.73,28.85 12.08,30.5 9.25,30.5
Net-(R32-Pad1): length 2.1
  Top w0.254: U4.5 64.71,23 R32.1
Net-(R33-Pad1): length 6
  Top w0.3: 92.3,30.25 SW1.2 88.47,30.32 R33.1
Net-(R38-Pad1): length 34.5
  Top w0.3: R38.1 20.03,26.59 18.72,27.9 5.88,27.9 4.9,28.88 4.3,28.88 ; U5.9 27.4,26.38 ; 4.3,28.88 2.93,28.88 SW2.1 2.85,27.73 2.19,27.07 2.19,25.1 2.85,24.44 SW2.1

## Copper pours and planes (outline as drawn; the poured copper is in the pictures)
3V3 on Top: 48.38,35.66 48.83,34.97 48.82,30.95 44.59,29.74 43.44,29.74 43.44,30.44 42.89,31.09 42.89,34.03 44.98,35.66
3V3 on Top: 9.49,94.5 9.78,92.82 9.78,81.7 8.65,81.23 7.54,81.72 7.54,86.87 8.33,87.76 8.33,88.9 8.33,92.2 8.59,94.5 8.59,96.5 9.49,96.5
GND on Top, Bottom: 224.8,0 0,0 0,162.4 224.8,162.4
VBAT on Top, Bottom: 74.91,37.01 70.31,34.86 68.56,28.94 63.76,26.78 61.29,26.79 61,26.15 61,25.05 60.4,25.05 60.4,26.15 60.3,27.32 60.3,28.32 61.07,35.71 65.86,38 65.86,40.01 66.96,40.01 70.91,41.01 74.91,41.01
VBAT on Top, Bottom: 29.49,19 28.88,18.63 25.15,18.62 24.55,18.62 24.55,19.62 24.58,22.22 25.21,22.59 28.87,22.58 29.49,22.2
VIN on Top: 42.45,27.75 42.73,26.49 42.73,26.29 42.71,19.48 41.7,19.47 35.45,18.05 34.6,18.05 34.6,26.43 36.35,28.46 42.45,28.46
VIN on Bottom: 42.45,27.76 42.73,26.49 42.72,23.57 34.6,23.53 34.6,26.43 36.35,28.46 42.45,28.46
SW_IN on Top: 33.22,20.54 33.7,19.05 33.7,15.82 32.28,14.82 25.57,14.82 25.57,15.33 25.5,16.22 25.5,17.23 26.9,17.23 31.25,18.45 32.2,20.55
VUSB on Top: 24.89,16.75 24.88,15.08 24.88,14.28 24.88,13.65 24.26,13.17 23.28,13.18 17.19,14.07 16.02,14.07 16.02,16.08 17.13,16.08 17.98,17.23 24.2,17.23
Net-(F1-Pad2) on Top: 14.23,16.07 14.23,14.07 10.78,12.27 6.9,12.28 6.9,12.79 8.05,12.79 11.01,13.84 11.01,16.38 8.05,17.18 6.9,17.18 6.9,17.69 10.64,17.69
